# KiCad board panel_rp2354_20x20.kicad_pcb (continued)
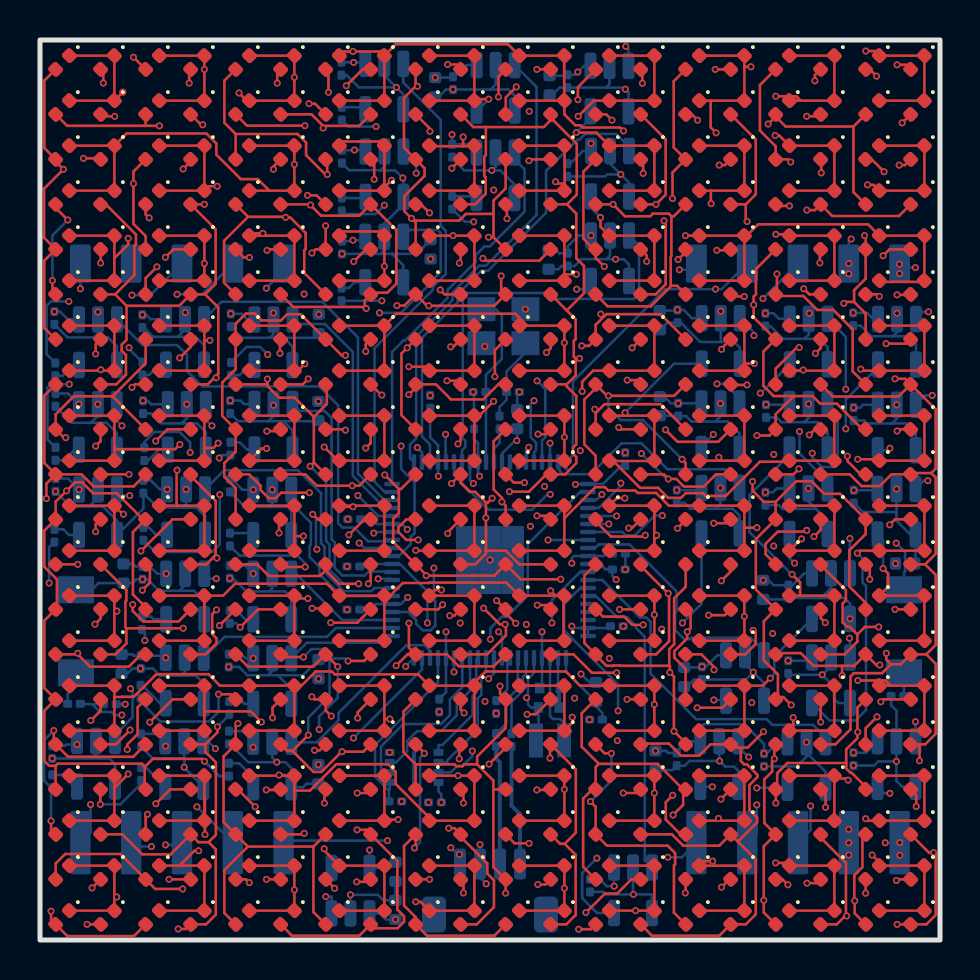
[diagram p0: board, top side]
## Routing (per net, layer and track width the routed paths; a pad name or vN(x,y) marks a point on that pad's centre or on a via; arc(x,y) is an arc through that point) (continued)
/drivers/ROW_MCU_18: length 16.5
  In4.Cu w0.127: v1(28.9,11.46) 29.2,11.16 33.42,11.16 v1(35.43,9.15)
  Bottom w0.127: U2.54 27.01,17.6 26.2,16.79 26.2,15.48 28.9,12.78 v1(28.9,11.46) ; v1(35.43,9.15) 34.91,9.67 U41.3
/drivers/ROW_MCU_19: length 15.4
  Bottom w0.127: U2.55 27.79,17.2 28.85,16.15 29.35,16.15 29.8,15.7 29.8,15.6 30.24,15.16 30.24,3.99 U42.3
/panel_header/CS0: length 28
  In3.Cu w0.127: v1(22.52,15.04) 22.52,14.31 20.47,12.26 20.47,6.72 18.71,4.97 v1(17.38,4.97)
  Bottom w0.127: v1(17.38,4.97) 12.28,4.97 J3.5 ; U2.42 27,22.4 24.39,19.79 24.39,17.22 23.34,16.16 23.09,16.16 22.52,15.59 v1(22.52,15.04)
/panel_header/CS1: length 35.4
  In3.Cu w0.127: v1(11.32,32.59) 11.32,31.97 3.67,24.32 3.67,16.78 3.48,16.6 3.48,16.29 3.67,16.11 3.67,13.38 3.41,13.12 3.41,10.9 4.42,9.89 4.61,9.89 v1(7.85,6.66)
  Bottom w0.127: J3.4 v1(7.85,6.66) ; J5.5 12.18,33.45 v1(11.32,32.59)
/panel_header/CS2: length 34.8
  In3.Cu w0.127: v1(6.85,32.29) 6.62,32.05 6.62,28.99 3.41,25.79 3.41,16.89 3.23,16.7 3.23,16.19 3.41,16 3.41,13.48 3.16,13.23 3.16,7.88 v1(6.28,4.76)
  Bottom w0.127: v1(6.28,4.76) 6.99,4.76 J3.3 ; v1(6.85,32.29) 8.1,32.29 J5.4
/panel_header/CS4: length 33.8
  In3.Cu w0.127: v1(5.57,4.67) 5.57,4.74 2.9,7.41 2.9,13.33 3.16,13.58 3.16,15.9 2.97,16.08 2.97,16.81 3.16,16.99 3.16,26.08 3.83,26.75 3.83,31.47 v1(4.6,32.24)
  Bottom w0.127: v1(4.6,32.24) 5.52,32.24 J5.3 ; J3.2 4.75,4.67 v1(5.57,4.67)
/panel_header/EINT: length 29.5
  In3.Cu w0.127: v1(2.53,6.77) 2.38,6.92 2.38,10.61 2.17,10.82 2.17,11.13 2.33,11.28 2.33,32.25 v1(2.02,32.56)
  Bottom w0.127: v1(2.02,32.56) J5.1 ; v1(2.53,6.77) 2.53,5.37 J3.1
/panel_header/MISO: length 36.8
  In3.Cu w0.127: v1(31.97,33.51) 31.48,33.02 31.48,25.82 31.64,25.66 31.64,25.36 29.12,22.84 v1(29.04,22.84) 29.89,21.99 29.89,16 29.8,15.91 29.8,5.73 v1(31.39,4.14)
  Bottom w0.127: v1(31.39,4.14) 32.09,4.14 J2.1 ; J4.1 32.51,33.51 v1(31.97,33.51) ; U2.44 27.94,21.6 29.04,22.71 v1(29.04,22.84)
/panel_header/MOSI: length 45.2
  In3.Cu w0.127: v1(35.84,6.75) 34.96,7.64 34.96,9 32.39,11.57 32.39,14.16 33,14.77 33,31.77 v1(33.78,32.54)
  Bottom w0.127: v1(35.84,6.75) 35.84,5.34 J2.2 ; U2.40 26.65,24.25 26.65,27.93 31.26,32.54 v1(33.78,32.54) 34.08,32.54 J4.2
/panel_header/SCK: length 43.3
  In3.Cu w0.127: v1(38.53,6.7) 37.17,8.06 37.17,13.59 37,13.76 37,19.39 v1(36.69,19.7) 37.07,20.08 37.07,31.15 v1(36.15,32.07)
  In4.Cu w0.127: v1(36.69,19.7) 36.58,19.6 28.73,19.6 27.78,20.54 27.78,21.97 v1(28.09,22.28)
  Bottom w0.127: v1(28.09,22.28) 27.82,22 U2.43 ; J4.3 v1(36.15,32.07) ; J2.3 38.53,5.5 v1(38.53,6.7)
/panel_mcu/D+: length 6
  Bottom w0.2: R7.1 22.8,9.07 22.99,8.88 22.99,3.81 J1.3
/panel_mcu/D-: length 6.1
  Bottom w0.2: R8.1 23.58,6.72 24,6.29 J1.4
/panel_mcu/QSPI_SCLK: length 6.5
  Bottom w0.127: U1.6 20.36,8.88 20.36,8.98 21.88,10.5 21.88,12.08 22.07,12.26 22.07,13.21 22.3,13.45 U2.71
/panel_mcu/QSPI_SD0: length 5.7
  Bottom w0.127: U1.5 19.92,9.75 20.11,9.75 21.63,11.26 21.63,12.18 21.81,12.37 21.81,14.02 U2.72
/panel_mcu/QSPI_SD1: length 8.9
  Bottom w0.127: U1.2 17.05,8.38 17.05,9.68 18.17,10.8 20.04,10.8 20.49,11.25 20.49,12.02 21.11,12.64 21.11,14.09 U2.74
/panel_mcu/QSPI_SD2: length 7.8
  Bottom w0.127: U2.73 21.5,12.46 20.84,11.8 20.84,11.23 20.06,10.46 19.25,10.46 19.23,10.44 18.85,10.44 18.36,9.95 18.36,9.44 17.8,8.88 U1.3
/panel_mcu/QSPI_SD3: length 7.5
  In3.Cu w0.127: v1(22.43,13.06) 22.61,12.88 22.61,11.78 21.62,10.78 v1(21.62,9.45)
  Bottom w0.127: v1(22.43,13.06) 22.7,13.33 U2.70 ; v1(21.62,9.45) 21.62,9.2 21.11,8.69 20.86,8.69 20.55,8.38 U1.7
/panel_mcu/QSPI_SS: length 21.1
  In4.Cu w0.127: v1(20.7,13.4) 18.82,13.4 16.98,11.56 8.15,11.56 7.85,11.27 4.11,11.27 v1(4.09,11.25)
  Bottom w0.127: R3.1 2.04,11.79 2.61,11.79 ; v1(4.09,11.25) 3.72,11.25 3.57,11.4 3,11.4 2.61,11.79 ; 2.61,11.79 R4.2 ; U2.75 v1(20.7,13.4)
/panel_mcu/RUN: length 26.8
  In3.Cu w0.127: v1(24.44,24.63) 24.59,24.48 24.59,22.72 24.45,22.58 24.45,20.75 v1(24.52,20.68)
  In4.Cu w0.127: v1(42.81,19.84) 41.93,18.96 38.22,18.96 37.87,19.32 27.94,19.32 26.57,20.68 v1(24.52,20.68)
  Bottom w0.127: v1(42.81,19.84) 43.25,19.4 43.25,18.43 43.2,18.38 SW2.2 ; v1(24.44,24.63) 24.3,24.5 U2.35
/panel_mcu/VREG_AVDD: length 3.8
  Bottom w0.127: U2.61 26.3,13.41 26.78,12.93 26.79,12.93 C7.1 27.8,11.68 28.12,11.36 R6.2
/panel_mcu/VREG_LX: length 4.6
  Bottom w0.127: U2.63 25.5,11.2 25.65,11.05 26,11.05 26.2,10.85 L1.2
/panel_mcu/XIN: length 8.8
  Bottom w0.127: 22.3,27.5 22.3,27.5 ; 22.3,27.5 22.3,28.25 23.09,29.05 23.09,31.23 22.78,31.54 Y1.1 ; 22.3,27.5 22.3,27.4 22.3,27.39 U2.30
/panel_mcu/XIP_CS1n: length 9.2
  Bottom w0.127: 17.44,7.49 17.44,6.93 ; 17.44,7.49 17.42,7.49 16.76,8.16 16.76,9.75 19.9,12.89 U2.77 ; 17.44,7.49 17.47,7.49 17.48,7.51 U1.1
/panel_mcu/XOUT: length 1.8
  Bottom w0.127: R5.1 22.97,24.85 22.7,24.58 U2.31
/panel_mcu/~{USB_BOOT}: length 1.7
  Bottom w0.127: SW1.2 1.8,12.7 1.38,12.28 R3.2
Net-(C2-Pad1): length 4.2
  Bottom w0.127: R5.2 22.97,26.65 23.33,27 C2.1 23.33,28.42 24.27,29.37 Y1.3
Net-(D1-A): length 117.1
  Top w0.127: D1.2 0.22,42.97 0.22,39.6 D2.2 0.78,38.92 v1(1.17,38.53) 0.2,37.56 0.2,35.11 D3.2 0.21,33.96 0.21,30.6 D4.2 ; v1(4.36,9.53) 4.36,9.78 4.88,10.29 4.88,11.63 D13.2 ; 5.24,8.65 5.64,9.06 8.1,9.06 v1(8.23,8.93) ; 5.24,8.65 5.24,7.58 D12.2 ; 5.24,8.65 5.08,8.82 0.89,8.82 0.78,8.71 ; v1(4.68,44.14) D20.2 ; 3.63,27.19 5.28,28.84 D17.2 ; 3.63,27.19 D16.2 ; 3.63,27.19 1.69,27.19 0.78,26.28 D5.2 1.2,25.12 v1(1.29,25.12) ; D14.2 5.28,16.64 4.65,17.28 4.65,20.4 D15.2 5.15,21.03 3.85,22.34 2.66,22.34 2.1,22.89 1.76,22.89 v1(1.33,22.46) 0.78,21.91 D6.2 0.22,20.47 0.22,18.66 0.85,18.03 0.85,16.6 D7.2 0.22,15.97 0.22,12.6 D8.2 0.22,11.47 0.22,8.95 0.46,8.71 0.78,8.71 ; D18.2 5.28,35.2 4.67,35.8 v1(4.67,37.82) 4.67,38.42 D19.2 ; 0.78,8.71 D9.2 ; D10.2 0.78,3.82 1.26,4.3 4.01,4.3 D11.2 5.76,2.55 v1(7.13,2.55)
  In3.Cu w0.127: v1(1.17,38.53) 1.02,38.39 1.02,31.83 1.13,31.73 1.13,29.94 1.08,29.89 1.08,25.33 v1(1.29,25.12) 1.33,25.08 v1(1.33,22.46) ; v1(8.23,8.93) 8.23,5.81 7.13,4.71 v1(7.13,2.55) ; v1(4.68,44.14) 4.67,44.14 v1(4.67,37.82)
  In4.Cu w0.127: v1(1.17,38.53) 3.96,38.53 v1(4.67,37.82) ; v1(4.36,9.53) 4.61,9.28 7.88,9.28 v1(8.23,8.93)
  Bottom w0.127: v1(8.23,8.93) 8.96,8.19 R9.2
Net-(D21-A): length 108.5
  Top w0.127: D39.2 7.53,38.93 v1(7.16,38.55) ; D38.2 6.67,34.53 v1(6.27,34.14) ; v1(4.64,16.77) 4.64,16.45 5.16,15.92 6.92,15.92 D34.2 ; D22.2 2.98,39.08 v1(2.17,39.08) ; D32.2 6.51,7.53 v1(5.79,6.82) ; D21.2 3.17,43.4 v1(3.17,42.85) ; v1(2.75,15.79) 3.03,16.07 D27.2 ; v1(2.54,10.98) 3.03,11.47 D28.2 ; v1(5.49,10.89) 6.63,12.03 D33.2 ; v1(7.46,42.84) 7.46,43.46 D40.2 ; v1(3.03,33.85) D23.2 ; v1(2.79,24.7) 3.03,24.95 D25.2 ; D36.2 6.37,25.53 v1(5.78,24.95) ; v1(6.98,29.1) 7.53,29.65 D37.2 ; D31.2 v1(6.45,3.03) ; v1(3.02,6.78) 3.02,7.52 D29.2 ; D26.2 2.79,20.79 v1(2.79,20.42) ; D30.2 v1(2.6,2.6) ; v1(5.05,19.45) 6.63,21.03 D35.2 ; v1(2.78,29.3) 2.78,29.78 D24.2
  In3.Cu w0.127: v1(2.17,39.08) 2.17,41.85 v1(3.17,42.85) ; v1(7.46,42.84) 7.16,42.54 v1(7.16,38.55) 7.16,35.02 v1(6.27,34.14) ; v1(5.78,24.95) 5.78,20.19 v1(5.05,19.45) 4.64,19.04 v1(4.64,16.77) ; 2.65,10.98 2.65,15.69 v1(2.75,15.79) 2.72,15.82 2.72,20.35 v1(2.79,20.42) v1(2.79,24.7) 2.79,26.12 3.43,26.77 3.43,29.15 3.28,29.3 ; 2.65,10.98 v1(2.54,10.98) ; 2.65,10.98 2.65,7.24 3.02,6.87 v1(3.02,6.78) 3.02,3.02 v1(2.6,2.6) ; v1(2.78,29.3) 3.28,29.3 ; 3.28,29.3 3.28,33.6 v1(3.03,33.85)
  In4.Cu w0.127: v1(5.79,6.82) 5.76,6.78 v1(3.02,6.78) ; v1(2.78,29.3) 3.09,29 6.88,29 v1(6.98,29.1) ; v1(3.17,42.85) 3.17,42.84 v1(7.46,42.84) ; v1(2.6,2.6) D30.2 v1(6.45,3.03) ; v1(2.79,20.42) 4.08,20.42 v1(5.05,19.45) ; v1(6.27,34.14) 3.32,34.14 v1(3.03,33.85) ; v1(2.54,10.98) 2.64,10.88 5.48,10.88 v1(5.49,10.89)
  Bottom w0.127: v1(3.02,6.78) 4.02,6.78 5.06,7.82 R10.2
Net-(D41-A): length 102.9
  Top w0.127: D54.2 5.06,14.28 4.44,13.67 2.5,13.67 1.89,14.28 ; v1(5.85,33.66) 5.28,33.09 D58.2 ; D45.2 0.22,23.85 0.22,27.22 D44.2 ; D45.2 2.08,23.28 2.68,22.68 4.68,22.68 D56.2 ; D45.2 0.32,22.82 v1(0.32,22.07) ; 1.89,14.28 v1(1.89,14.34) ; 1.89,14.28 D47.2 ; v1(4.6,27.63) 4.75,27.78 D57.2 ; 5.28,40.71 D60.2 ; 5.28,40.71 v1(5.97,40.71) ; 5.28,40.71 1.36,40.71 D41.2 ; v1(5.37,6.29) 5.28,6.2 D52.2 ; D53.2 4.66,9.16 1.4,9.16 D48.2 0.69,9.88 v1(0.69,10.47) ; v1(0.55,1.44) 0.55,1.01 D50.2 1.36,0.2 4.7,0.2 D51.2 ; v1(0.62,32.97) 0.62,32.44 D43.2 ; D46.2 v1(1.89,18.78) ; v1(0.55,5.95) 0.55,5.51 D49.2 ; v1(5.46,36.11) 5.28,36.28 D59.2 ; D55.2 5.5,18.57 5.5,17.87 v1(5.12,17.49) ; D42.2 0.78,36.61 v1(1.39,36)
  In3.Cu w0.127: v1(0.69,10.47) 1.89,11.67 v1(1.89,14.34) v1(1.89,18.78) 1.89,20.5 v1(0.32,22.07) ; v1(5.97,40.71) 5.97,36.62 v1(5.46,36.11) 5.46,34.05 v1(5.85,33.66) 5.85,28.88 v1(4.6,27.63) ; v1(0.55,5.95) v1(0.55,1.44)
  In4.Cu w0.127: v1(4.6,27.63) 0.32,23.35 v1(0.32,22.07) ; v1(0.55,5.95) 5.04,5.95 v1(5.37,6.29) ; v1(1.39,36) 1.49,36.11 v1(5.46,36.11) ; v1(5.12,17.49) 3.18,17.49 v1(1.89,18.78)
  Bottom w0.127: 0.55,7.61 R11.2 ; 0.55,7.61 v1(0.55,5.95) ; 0.55,7.61 0.21,7.96 0.21,10 v1(0.69,10.47) ; v1(1.39,36) 0.62,35.23 v1(0.62,32.97)
Net-(D61-A): length 118.1
  Top w0.127: D65.2 v1(4.45,23.28) ; v1(8.83,16.51) 8.61,16.29 8.61,15.3 8.82,15.08 8.82,14.83 8.27,14.28 D74.2 ; D62.2 3.29,36.78 4.8,35.28 4.8,34.79 4.72,34.72 4.72,33.24 3.76,32.28 ; D63.2 3.76,32.28 ; 3.76,32.28 4.33,31.71 ; D75.2 8.32,18.78 8.74,19.21 ; 8.76,28.16 8.38,27.78 D77.2 ; 8.76,28.16 8.91,28.31 8.91,31.62 8.26,32.28 ; 8.76,28.16 v1(8.81,28.11) ; v1(4.5,10.5) 3.79,9.78 D68.2 ; 8.27,9.78 D73.2 ; 8.27,9.78 8.87,10.38 v1(8.87,10.66) ; 8.27,9.78 8.27,9.41 8.79,8.88 8.79,5.26 8.43,4.89 ; 4.32,15.59 4.32,14.82 3.78,14.28 D67.2 ; 4.32,15.59 4.27,15.64 4.27,16.92 4.32,16.97 4.32,17.5 D66.2 ; 4.32,15.59 v1(7.16,15.59) ; v1(3.73,41.18) 3.13,41.18 D61.2 ; v1(8.22,36.78) D79.2 8.78,35.53 8.78,32.81 8.26,32.28 ; 4.33,31.71 6.96,31.71 D78.2 8.26,32.28 ; 4.33,31.71 4.33,30.01 4.09,29.77 4.09,29.46 4.3,29.25 4.3,28.27 3.81,27.78 D64.2 ; v1(6.91,0.55) 7.3,0.55 D71.2 8.3,0.78 8.79,1.27 8.79,4.53 8.43,4.89 ; 8.43,4.89 7.92,4.89 D72.2 6.53,4.28 5.11,4.28 4.11,5.28 D69.2 ; D70.2 v1(2.35,0.78) ; 8.74,19.21 v1(8.85,19.1) ; 8.74,19.21 8.78,19.25 8.78,21.96 7.53,23.21 D76.2 ; v1(8.14,40.76) 8.05,40.76 D80.2
  In3.Cu w0.127: 8.81,26.34 9.37,25.77 9.37,19.62 v1(8.85,19.1) 8.42,18.68 8.42,16.91 8.45,16.88 ; 8.81,26.34 6.59,26.34 4.45,24.2 v1(4.45,23.28) ; 8.81,26.34 v1(8.81,28.11) ; v1(4.5,10.5) 4.25,10.5 3.7,11.05 3.7,12.83 6.46,15.59 v1(7.16,15.59) 8.45,16.88 ; 8.45,16.88 v1(8.83,16.51) ; v1(8.22,36.78) 8.22,40.68 v1(8.14,40.76)
  In4.Cu w0.127: v1(2.35,0.78) 6.68,0.78 v1(6.91,0.55) ; v1(8.87,10.66) 8.71,10.5 v1(4.5,10.5) ; v1(3.73,41.18) 7.72,41.18 v1(8.14,40.76)
  Bottom w0.127: v1(8.87,10.66) 9.46,11.24 9.46,11.28
Net-(D100-A): length 115
  Top w0.127: v1(13.61,16.58) 14.23,16.58 D94.2 ; D88.2 9.53,12.29 v1(8.93,12.29) ; v1(14.73,2.58) D91.2 ; 9.78,40.3 D82.2 ; 9.78,40.3 12.87,40.3 13.3,39.87 13.3,39.24 14.27,38.28 v1(14.36,38.28) 14.36,38.95 D99.2 ; 9.78,40.3 9.22,40.87 9.22,42.97 D81.2 ; D89.2 9.89,7.53 v1(10.76,6.66) ; v1(14.42,42.38) 14.42,43.39 D100.2 ; D92.2 14.22,7.47 v1(14.22,6.84) ; D90.2 10.3,3.03 v1(10.47,2.87) ; v1(13.59,12.16) 13.72,12.03 D93.2 14.28,11.48 v1(14.56,11.19) ; v1(13.6,34.35) 13.78,34.53 D98.2 v1(14.28,35.71) ; D87.2 v1(8.97,15.72) ; D95.2 13.89,21.03 v1(13.64,21.28) ; v1(15.27,25.49) 15.24,25.53 D96.2 ; v1(10.47,34.13) 10.19,34.13 D83.2 ; v1(15.27,29.24) 15.08,29.24 D97.2 13.03,31.29 12.36,31.29 12.05,30.98 11.08,30.98 10.73,31.32 10.3,31.32 9.78,30.81 D84.2 9.78,28.54 9.11,27.87 9.11,26.2 D85.2 9.78,24.41 9.21,23.84 9.21,23.16 9.78,22.59 D86.2
  In3.Cu w0.127: v1(8.97,15.72) 8.93,15.68 v1(8.93,12.29) ; v1(14.73,2.58) 14.73,6.33 v1(14.22,6.84) 14.56,7.19 v1(14.56,11.19) ; v1(13.59,12.16) 13.54,12.21 13.54,16.52 v1(13.61,16.58) 13.84,16.82 v1(13.84,19.53) ; 14.56,38.4 16.94,38.4 17.19,38.15 17.19,37.45 17.6,37.04 17.6,34.67 15.27,32.35 v1(15.27,29.24) v1(15.27,25.49) 15.27,22.92 v1(13.64,21.28) ; 14.56,38.4 14.56,42.25 v1(14.42,42.38) ; 14.56,38.4 14.49,38.4 v1(14.36,38.28) 14.28,38.2 v1(14.28,35.71)
  In4.Cu w0.127: v1(10.47,34.13) 11.21,34.86 13.08,34.86 v1(13.6,34.35) ; v1(14.22,6.84) 14.04,6.66 v1(10.76,6.66) ; v1(13.59,12.16) 13.47,12.29 v1(8.93,12.29) ; v1(10.47,2.87) 10.67,2.66 11.48,2.66 11.69,2.87 14.44,2.87 v1(14.73,2.58)
  Bottom w0.127: v1(8.93,12.29) 8.93,11.41 8.44,10.92 6.02,10.92 5.03,11.91 R13.2 ; v1(13.64,21.28) 13.8,21.13 13.8,19.58 v1(13.84,19.53)
Net-(D101-A): length 117.7
  Top w0.127: D107.2 10.9,16.53 v1(10.01,15.64) ; v1(11.95,20.35) 11.95,20.95 D106.2 ; D117.2 16.29,29.79 v1(16.29,29.43) ; D116.2 16.53,24.84 v1(16.29,24.6) ; v1(15.45,20.26) 16.22,21.03 D115.2 ; D104.2 12,30 v1(12,29.34) ; D119.2 16.71,38.85 v1(16.71,38.03) ; v1(15.31,42.71) 16.13,43.53 D120.2 ; v1(11.63,11.11) 11.63,11.63 D108.2 ; D113.2 15.88,11.38 v1(15.88,11.1) ; v1(15.69,33.92) 16.29,34.53 D118.2 ; v1(11.33,3.03) 11.33,3.03 D110.2 ; v1(11.34,25.44) 11.94,25.44 D105.2 ; D103.2 11.4,34.53 v1(11.35,34.48) ; v1(11.86,42.84) 11.86,43.36 D101.2 ; v1(11.67,38.54) 11.67,38.67 D102.2 ; v1(15.86,7.35) 16.35,7.35 D112.2 ; D114.2 15.86,15.86 v1(14.54,15.86) ; D111.2 16.41,2.91 v1(15.83,2.91) ; D109.2 12,7.5 v1(11.31,7.5)
  In3.Cu w0.127: v1(16.71,38.03) 16.71,34.95 v1(15.69,33.92) 12.05,30.28 12.05,29.34 ; v1(10.01,15.64) 11.95,17.58 v1(11.95,20.35) 11.95,20.35 ; v1(11.33,3.03) 11.33,7.49 v1(11.31,7.5) 11.31,9.23 11.63,9.54 v1(11.63,11.11) ; 12.05,29.34 v1(12,29.34) ; 12.05,29.34 12.05,25.44 ; 11.95,20.35 12.52,19.79 13.58,19.79 14.05,20.26 v1(15.45,20.26) 16.31,21.12 16.31,24.58 v1(16.29,24.6) v1(16.29,29.43) ; 11.95,20.35 12.05,20.45 12.05,25.44 ; 12.05,25.44 v1(11.34,25.44) ; v1(15.88,11.1) 16.05,10.93 16.05,7.54 v1(15.86,7.35) ; v1(11.35,34.48) 11.67,34.8 v1(11.67,38.54) 11.67,42.66 v1(11.86,42.84)
  In4.Cu w0.127: v1(15.31,42.71) 15.28,42.75 11.95,42.75 v1(11.86,42.84) ; 14.54,15.64 v1(14.54,15.86) ; 14.54,15.64 14.7,15.47 19.17,15.47 21.11,13.54 21.11,13.28 19.3,11.47 17.38,11.47 17.01,11.1 v1(15.88,11.1) ; 14.54,15.64 v1(10.01,15.64) ; v1(15.83,2.91) 15.53,3.21 11.5,3.21 v1(11.33,3.03) ; v1(11.31,7.5) 15.71,7.5 v1(15.86,7.35) ; v1(11.35,34.48) 11.91,33.92 v1(15.69,33.92)
  Bottom w0.127: R14.2 9.81,15.83 v1(10.01,15.64)
Net-(D121-A): length 114.3
  Top w0.127: 13.69,26.16 12.73,27.12 11.95,27.12 11.37,27.7 11.37,27.78 ; 13.69,26.16 14.34,26.8 14.34,27.72 D137.2 ; 13.69,26.16 13.69,23.87 ; v1(15.94,17.81) 14.96,17.81 14.28,18.49 ; 11.37,27.78 v1(11.37,28.05) ; 11.37,27.78 D124.2 ; D131.2 13.67,1.39 13.67,4.67 ; v1(13.73,9.49) 13.99,9.49 D133.2 ; D121.2 10.35,40.72 v1(13.25,40.72) ; v1(13.47,22.36) 12.06,22.36 11.79,22.09 11.44,22.09 11.03,22.5 11.03,22.72 10.46,23.28 D125.2 ; D140.2 13.75,41.82 v1(13.45,41.82) ; D126.2 10.86,18.78 11.45,18.2 13.99,18.2 14.28,18.49 ; D122.2 10.4,36.16 ; 10.4,36.16 9.2,34.96 9.2,32.86 D123.2 ; 10.4,36.16 12.26,36.16 v1(12.28,36.13) 12.5,36.13 13.28,35.35 13.28,34.55 13.21,34.48 13.21,33.35 D138.2 ; D139.2 13.83,37.23 v1(13.37,37.23) ; 14.28,18.49 D135.2 ; 10.39,4.67 13.67,4.67 ; 10.39,4.67 D129.2 9.18,5.89 9.18,9.18 D128.2 9.78,10.71 v1(9.9,10.82) ; 10.39,4.67 9.21,3.49 9.21,1.35 D130.2 ; 13.67,4.67 D132.2 ; v1(14.89,13.67) 14.28,14.27 D134.2 14.28,14.28 13.66,13.67 10.4,13.67 D127.2 ; 13.69,23.87 v1(13.51,23.69) ; 13.69,23.87 D136.2
  In3.Cu w0.127: v1(13.45,41.82) 13.45,40.92 v1(13.25,40.72) 13.25,37.23 ; v1(13.96,10.53) 13.96,9.72 v1(13.73,9.49) ; 13.25,37.23 13.25,37.1 v1(12.28,36.13) 12.28,32.49 11.01,31.22 11.01,28.4 v1(11.37,28.05) ; 13.25,37.23 v1(13.37,37.23) ; v1(13.51,23.69) 13.51,22.4 v1(13.47,22.36) ; v1(15.94,17.81) 15.94,15 14.89,13.95 v1(14.89,13.67)
  In4.Cu w0.127: v1(9.9,10.82) 10.26,10.46 13.11,10.46 13.26,10.61 13.87,10.61 v1(13.96,10.53) ; v1(5.24,14.98) 13.58,14.98 v1(14.89,13.67)
  Bottom w0.127: v1(14.89,13.67) 14.89,12.11 13.96,11.18 v1(13.96,10.53) ; v1(15.94,17.81) 15.18,17.81 14.48,18.51 14.48,19.78 14.3,19.95 14.3,22.89 v1(13.51,23.69) ; R15.2 5.24,15.38 v1(5.24,14.98)
Net-(D141-A): length 116.5
  Top w0.127: D150.2 12.6,0.22 15.97,0.22 D151.2 16.73,0.59 17.87,0.59 18.2,0.91 18.2,1.18 17.87,1.52 17.87,3.95 D152.2 16.3,5.51 v1(15.85,5.51) ; D153.2 16.17,9.42 v1(15.1,9.42) 15.08,9.42 14.07,8.4 13.67,8.4 12.62,9.45 ; D146.2 12.16,18.65 v1(13.26,18.65) ; D154.2 16.2,13.95 v1(15.4,13.95) ; 12.62,9.45 12.36,9.45 D148.2 ; 12.62,9.45 v1(13.41,10.25) ; v1(13.21,5.33) 13.16,5.28 D149.2 ; v1(17.09,27.25) 17.07,27.25 D157.2 ; D145.2 13.27,23.28 13.84,22.71 v1(15.61,22.71) 15.96,22.71 D156.2 ; 14.16,40.71 v1(14.16,40.6) ; 14.16,40.71 13.58,41.28 D141.2 ; 14.16,40.71 15.96,40.71 D160.2 ; v1(13.41,28.06) 13.14,27.78 D144.2 ; 16.23,31.65 16.23,31.98 D158.2 16.61,32.36 17.36,32.36 17.82,32.82 17.82,35.5 D159.2 15.97,36.22 14.05,36.22 v1(13.52,36.75) 13.49,36.78 D142.2 ; 16.23,31.65 12.66,31.65 D143.2 ; 16.23,31.65 v1(16.31,31.58) ; D147.2 12.17,14.15 v1(13.17,14.15) ; v1(16.42,17.81) 16.53,17.92 D155.2
  In3.Cu w0.127: v1(13.26,18.65) 13.03,18.42 13.03,14.29 v1(13.17,14.15) ; v1(15.61,22.71) 15.64,22.74 15.64,30.91 v1(16.31,31.58) 16.31,31.69 16.98,32.36 17.22,32.36 17.48,32.1 17.48,27.63 v1(17.09,27.25) 16.71,26.86 16.71,21.12 16.29,20.71 16.29,20.22 16.42,20.1 v1(16.42,17.81) ; v1(13.52,36.75) 13.99,37.22 13.99,40.43 v1(14.16,40.6) ; v1(15.1,9.42) 15.1,6.26 v1(15.85,5.51)
  In4.Cu w0.127: v1(17.09,27.25) 16.28,28.06 v1(13.41,28.06) ; v1(13.21,5.33) 13.38,5.51 v1(15.85,5.51) ; v1(16.42,17.81) 16.56,17.81 16.68,17.68 17.11,17.68 17.3,17.88 17.3,18.28 17.15,18.43 15.68,18.43 15.56,18.31 13.6,18.31 v1(13.26,18.65)
  Bottom w0.127: 9.5,19.7 9.98,19.22 12.87,19.22 13.26,18.83 v1(13.26,18.65) ; 14.48,14.07 15.28,14.07 v1(15.4,13.95) ; 14.48,14.07 14.48,14.26 14.19,14.55 13.57,14.55 v1(13.17,14.15) ; 14.48,14.07 14.48,12.18 13.41,11.12 v1(13.41,10.25)
Net-(D161-A): length 123.5
  Top w0.127: 22.67,36.3 21.29,36.3 20.96,35.97 18.78,35.97 ; 22.67,36.3 22.67,36.97 23.28,37.58 D179.2 ; 22.67,36.3 22.67,35.14 ; 18.78,8.78 18.17,9.4 18.17,11.42 D168.2 ; 18.78,8.78 20.72,8.78 20.81,8.69 21.11,8.69 21.2,8.78 21.86,8.78 ; 18.78,8.78 D169.2 ; 22.67,35.14 v1(22.43,35.14) ; 22.67,35.14 D178.2 ; v1(22.74,28.17) 22.74,29.49 D177.2 ; D163.2 18.78,35.97 ; 18.78,35.97 18.69,35.97 v1(18.57,36.08) 18.22,36.44 18.22,37.19 19.23,38.2 19.23,38.59 D162.2 18.2,39.61 18.2,42.1 18.78,42.69 ; D180.2 22.92,43.17 v1(22.92,42.15) ; v1(23,12.7) 23,12.31 D173.2 23.28,10.6 21.86,9.17 21.86,8.78 ; D167.2 19.9,16.53 v1(20.13,16.76) ; v1(23.79,15.84) 23.28,16.34 D174.2 23.27,16.53 v1(22.83,16.97) ; 22.67,7.53 22.67,7.97 21.86,8.78 ; 22.67,7.53 22.67,3.65 D171.2 v1(23.28,2.34) ; 22.67,7.53 D172.2 ; D170.2 v1(19.47,3.03) ; D165.2 18.07,26.24 18.07,29.32 v1(18.36,29.61) D164.2 ; D176.2 22.68,24.93 22.68,22.52 23.1,22.11 v1(23.1,21.9) 23.28,21.72 D175.2 ; D161.2 18.78,42.69 ; 18.78,42.69 v1(18.87,42.69) ; D166.2 18.32,21.03 17.92,20.63 17.92,20.4 18.32,20 v1(18.91,20)
  In3.Cu w0.127: 22.24,21.9 20.81,21.9 v1(18.91,20) ; 22.24,21.9 22.24,22.24 22.4,22.39 22.4,23.43 22.27,23.56 22.27,27.77 22.67,28.17 ; 22.24,21.9 22.42,21.72 22.91,21.72 v1(23.1,21.9) 23.1,17.24 v1(22.83,16.97) ; 22.67,28.17 v1(22.74,28.17) ; 22.67,28.17 21.78,29.07 21.78,34.49 v1(22.43,35.14) ; v1(18.36,29.61) 18.36,35.87 v1(18.57,36.08)
  In4.Cu w0.127: v1(19.47,3.03) 19.62,3.18 22.47,3.18 23.28,2.36 v1(23.28,2.34) ; v1(23.79,15.84) 23.79,13.48 v1(23,12.7) ; v1(20.13,16.76) 20.34,16.97 v1(22.83,16.97) ; v1(8.99,22.27) 9.54,21.71 14.04,21.71 15.13,20.62 15.71,20.62 16.39,19.94 18.84,19.94 v1(18.91,20) ; v1(18.87,42.69) 20.14,42.69 20.36,42.91 22.17,42.91 v1(22.92,42.15)
  Bottom w0.127: 5.17,19.98 5.75,19.4 8.61,19.4 8.99,19.78 v1(8.99,22.27)
Net-(D181-A): length 126.6
  Top w0.127: v1(24.86,16.74) 25.32,16.74 D194.2 ; D187.2 20.71,16.21 v1(20.49,16.21) ; v1(20.59,38.59) D182.2 ; D189.2 21.17,7.39 v1(21.17,6.85) ; v1(22.14,34.08) 22.26,33.97 24.97,33.97 D198.2 ; D185.2 21.03,24.94 v1(20.9,24.8) ; D190.2 21.17,2.89 v1(21.17,2.35) ; v1(21.2,11.35) 21.03,11.52 D188.2 ; D200.2 v1(24.85,43.53) ; v1(24.45,38.97) 24.51,39.03 D199.2 ; D186.2 20.39,20.39 v1(20.39,20.32) ; v1(20.97,33.85) 21.03,33.91 D183.2 ; v1(24.84,7.5) 25.5,7.5 D192.2 ; D195.2 25.36,21.21 v1(24.85,21.21) ; D191.2 25.28,2.78 v1(24.89,2.78) ; v1(25.33,29.37) 25.53,29.58 D197.2 ; v1(24.35,11.29) 24.79,11.29 D193.2 ; v1(20.53,29.66) 20.66,29.66 D184.2 ; v1(20.38,43.78) 20.79,43.78 D181.2 ; v1(24.9,25.29) 25.29,25.29 D196.2
  In3.Cu w0.127: 24.34,29.34 22.14,31.54 v1(22.14,34.08) ; 24.34,29.34 24.34,25.86 v1(24.9,25.29) 24.85,25.24 v1(24.85,21.21) 24.88,21.17 24.88,16.77 v1(24.86,16.74) ; 24.34,29.34 25.29,29.34 v1(25.33,29.37) ; v1(20.39,20.32) 20.49,20.22 20.49,16.22 v1(20.49,16.21) ; v1(24.89,2.78) 24.84,2.82 v1(24.84,7.5) ; v1(21.2,11.35) 21.2,9.33 21.58,8.96 21.58,7.26 v1(21.17,6.85) 21.35,6.67 21.35,2.53 v1(21.17,2.35) ; v1(20.53,29.66) 20.97,30.09 v1(20.97,33.85) 21.02,33.9 21.02,38.16 v1(20.59,38.59) 24.85,42.85 v1(24.85,43.53)
  In4.Cu w0.127: 21.4,16.21 24.33,16.21 v1(24.86,16.74) ; 21.4,16.21 v1(20.49,16.21) 20.49,16.22 18.31,16.22 18.22,16.13 14.79,16.13 14.69,16.23 14.39,16.23 14.28,16.13 7.19,16.13 7.14,16.08 3.69,16.08 1.93,17.85 v1(0.45,17.85) ; 21.4,16.21 21.4,11.56 ; v1(24.35,11.29) 23.91,11.72 22.56,11.72 22.4,11.56 21.4,11.56 ; v1(22.14,34.08) 21.2,34.08 v1(20.97,33.85) ; v1(21.2,11.35) 21.4,11.55 21.4,11.56 ; v1(21.17,6.85) 24.19,6.85 v1(24.84,7.5) ; v1(20.9,24.8) 21.44,25.35 24.85,25.35 v1(24.9,25.29) ; v1(24.45,38.97) 20.97,38.97 v1(20.59,38.59) ; v1(24.85,43.53) 20.63,43.53 v1(20.38,43.78)
  Bottom w0.127: v1(0.45,17.85) 0.45,19.63 R18.2
Net-(D201-A): length 117.8
  Top w0.127: D205.2 18.05,22.55 17.94,22.55 ; D212.2 23.73,4.83 v1(24.45,4.83) ; v1(18.45,15.84) 18.45,14.62 D207.2 ; 17.94,22.55 17.94,21.35 17.66,21.06 17.66,19.91 D206.2 19.31,18.25 v1(19.31,18.22) 22.72,18.22 D215.2 24.03,18.04 v1(26.04,18.04) ; 17.94,22.55 v1(17.24,23.25) ; v1(24.22,22.87) 23.69,22.87 D216.2 ; D201.2 19.5,40.57 v1(19.5,40.43) ; v1(19.21,9.33) 19.21,9.35 D208.2 ; v1(23.81,42.65) 23.29,42.13 23.29,41.29 D220.2 ; D211.2 22.72,0.22 19.35,0.22 D210.2 18.78,1.14 18.2,1.72 18.2,4.7 D209.2 18.78,4.66 v1(18.73,4.6) ; v1(19.47,36.36) 19.05,36.78 D202.2 ; v1(22.45,8.79) 23.28,9.62 D213.2 ; D217.2 22.91,27.78 22.16,27.03 20.55,27.03 19.8,27.78 D204.2 18.78,27.61 v1(18.44,27.27) ; v1(23.06,33.2) 23.06,32.51 D218.2 22.71,31.71 v1(19.44,31.71) 19.35,31.71 D203.2 18.22,31.72 v1(17.85,31.72) ; v1(17.81,13.72) 18.37,14.28 D207.2 ; D207.2 20.34,14.28 20.94,13.68 22.68,13.68 D214.2 ; D219.2 23.35,36.72 v1(23.35,36.07)
  In3.Cu w0.127: v1(19.44,31.71) 19.16,31.98 19.16,35.8 19.47,36.11 v1(19.47,36.36) 19.5,36.38 v1(19.5,40.43) 21.72,42.65 v1(23.81,42.65) ; v1(26.04,18.04) 26.04,20.69 25.12,21.61 25.12,22.57 v1(25.23,22.68) ; v1(23.35,36.07) 23.06,35.78 v1(23.06,33.2) ; 17.85,27.27 v1(17.85,31.72) ; 17.85,27.27 v1(18.44,27.27) ; 17.85,27.27 17.24,26.66 v1(17.24,23.25) ; v1(24.45,4.83) 24.45,6.79 v1(22.45,8.79) ; v1(18.45,15.84) 19.31,16.7 v1(19.31,18.22) ; v1(19.21,9.33) 19.21,11.93 17.81,13.34 v1(17.81,13.72)
  In4.Cu w0.127: v1(24.22,22.87) 24.42,22.68 v1(25.23,22.68) ; v1(22.45,8.79) 22.27,8.61 19.94,8.61 v1(19.21,9.33) ; v1(17.24,23.25) 16.39,24.1 v1(8.96,24.1)
  Bottom w0.127: v1(8.96,24.1) 9.1,24.25 R19.2 ; v1(18.73,4.6) 19,4.88 19,9.12 v1(19.21,9.33)
Net-(D221-A): length 136.9
  Top w0.127: 26.23,4.81 26,4.81 D232.2 ; 26.23,4.81 26.79,5.37 26.79,8.52 D233.2 25.5,9.75 v1(25.5,9.09) ; 26.23,4.81 26.78,4.26 26.78,1.25 26.31,0.78 D231.2 ; D230.2 21.84,0.78 22.7,1.64 22.7,2.99 22.36,3.32 22.36,3.83 21.03,5.16 D229.2 20.73,5.59 v1(20.43,5.59) ; v1(20.01,32.5) 20.23,32.28 D223.2 ; 22.29,40.65 25.19,40.65 25.53,40.99 ; 22.29,40.65 21.67,40.65 D221.2 ; 22.29,40.65 22.29,39.25 22.21,39.17 22.21,38.21 22.28,38.14 22.28,37.31 21.76,36.78 D222.2 ; D227.2 22.35,14.28 23.3,15.23 23.3,15.74 v1(23.25,15.78) 22.99,15.78 v1(22.18,16.59) ; v1(20.96,9.06) 20.96,9.71 D228.2 ; 26.34,31.48 26.78,31.03 26.78,30.05 26.69,29.95 26.69,29.17 26.78,29.08 ; 26.34,31.48 27.2,32.34 27.2,33.7 26.82,34.09 26.82,36.32 26.35,36.78 ; 26.34,31.48 D238.2 ; 25.53,40.99 25.66,40.99 26.84,39.81 26.84,37.27 26.35,36.78 ; 25.53,40.99 D240.2 ; v1(23.47,22.42) 24.45,22.42 25.31,23.28 D236.2 26.26,23.28 26.81,23.84 26.81,24.15 26.65,24.32 26.65,24.62 26.81,24.78 26.81,27.21 26.34,27.68 26.34,27.78 ; 22.3,21.87 22.39,21.87 v1(22.6,22.08) ; 22.3,21.87 21.76,22.41 21.48,22.41 21.03,22.86 D225.2 v1(20.57,22.82) ; 22.3,21.87 v1(22.3,21.11) 22.3,19.47 ; 26.35,36.78 D239.2 ; 26.34,27.78 D237.2 ; 26.34,27.78 26.78,28.23 26.78,29.08 ; v1(26.98,29.08) 26.78,29.08 ; 22.3,19.47 22.3,19.31 21.77,18.78 D226.2 ; 22.3,19.47 23.28,19.47 23.97,18.78 D235.2 ; D224.2 20.85,27.96 v1(20.35,27.96) ; D234.2 26.67,14.28 27.6,13.36 v1(28.84,13.36)
  In3.Cu w0.127: v1(20.35,27.96) 20.01,28.3 v1(20.01,32.5) ; v1(28.84,13.36) 28.54,13.06 28.54,10.3 v1(28.87,9.97) ; v1(22.3,21.11) 22.13,20.95 22.13,16.64 v1(22.18,16.59) ; v1(20.43,5.59) 20.81,5.96 20.81,7.59 21.32,8.11 21.32,8.7 v1(20.96,9.06) 20.84,9.18 20.84,11.58 21.19,11.93 v1(22.25,11.93)
  In4.Cu w0.127: v1(20.57,22.82) 17.1,22.82 16.6,23.32 8.56,23.32 v1(7.51,24.38) ; v1(20.96,9.06) 22.2,9.06 22.3,9.16 25.43,9.16 v1(25.5,9.09) 26.37,9.97 v1(28.87,9.97) ; v1(22.25,11.93) 22.01,12.17 22.01,13.97 23.3,15.26 23.3,15.74 v1(23.25,15.78) ; v1(22.6,22.08) 22.94,22.42 v1(23.47,22.42) ; v1(20.35,27.96) 21.39,29.01 26.91,29.01 v1(26.98,29.08)
  Bottom w0.127: R20.2 5.22,24.89 5.72,25.4 6.98,25.4 7.51,24.87 v1(7.51,24.38)
